# KiCad board KlusterLab r2.0.kicad_pcb (continued)
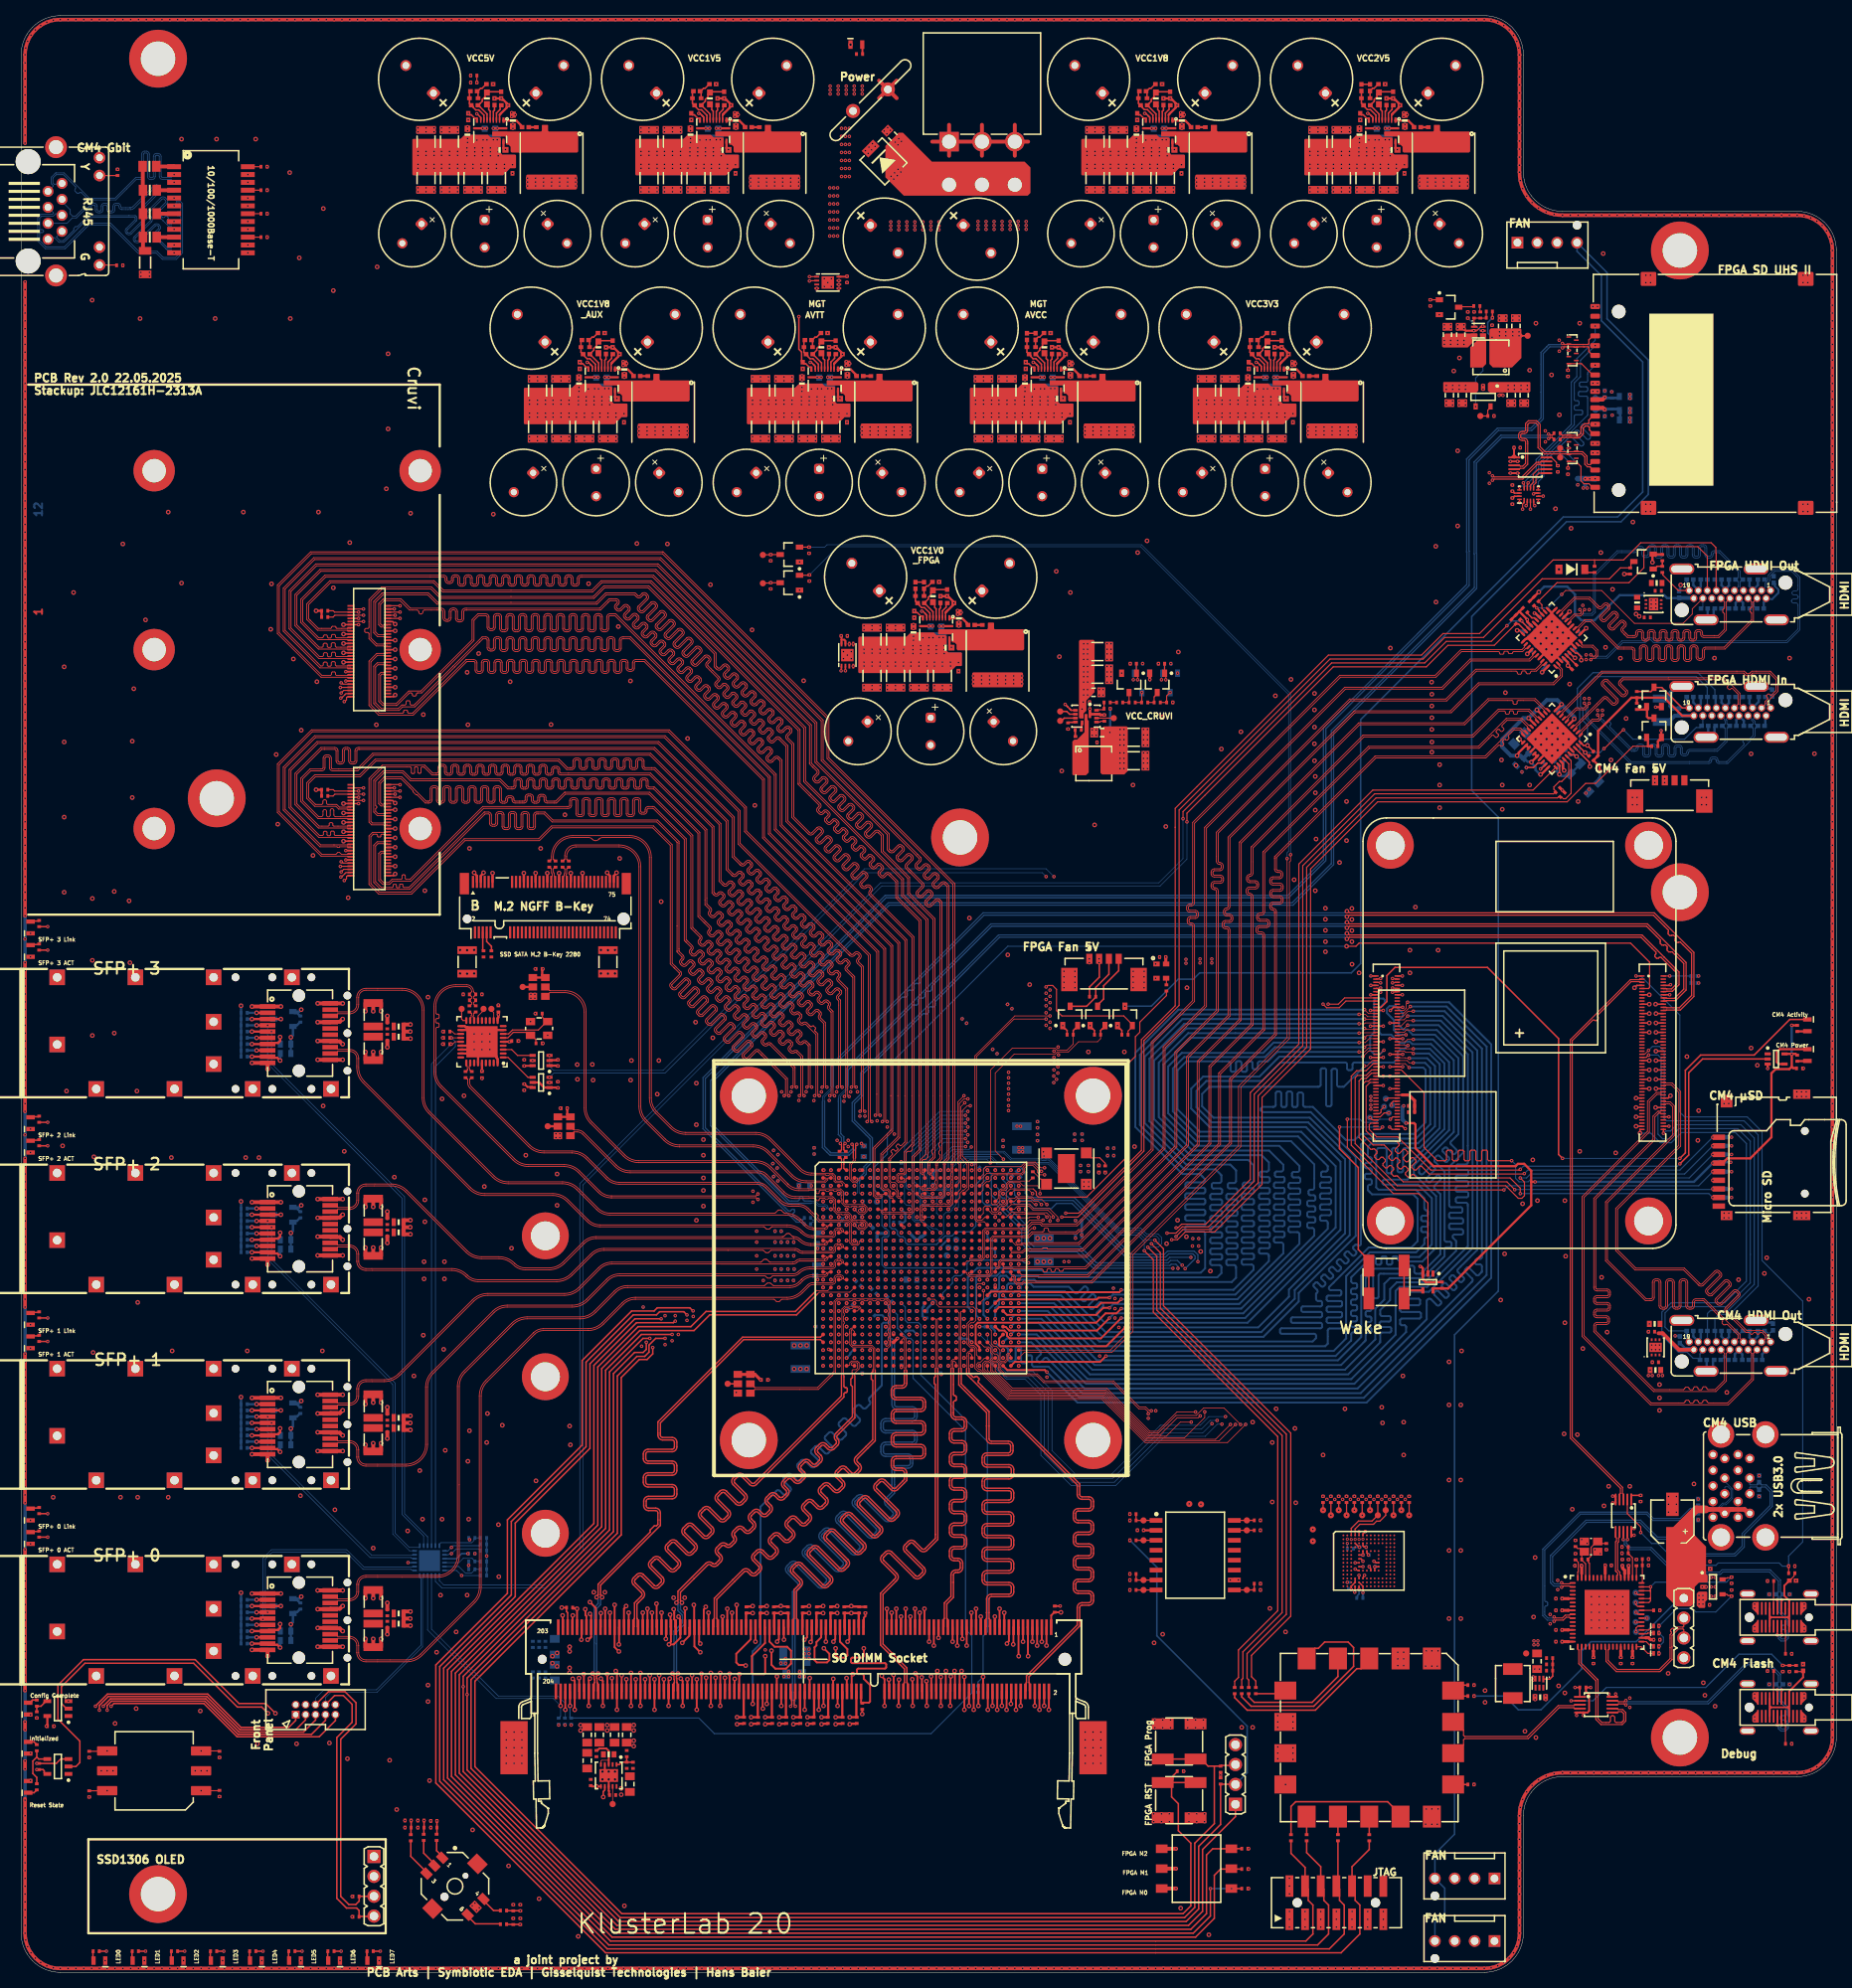
[diagram p0: board, top side]
## Routing (per net, layer and track width the routed paths; a pad name or vN(x,y) marks a point on that pad's centre or on a via; arc(x,y) is an arc through that point) (continued)
HDMI_CM4_DATA1_N: length 68.5
  L1 Top w0.114: J8.178 209.63,112.1 209.55,112.18 209.08,112.18 208.1,111.2 208.1,107.36 199.74,99 199.74,81.35 208.34,72.75 212.52,72.75 212.66,72.89 212.66,72.96 212.81,73.1 213.09,73.1 213.23,72.96 213.23,72.87 213.37,72.73 213.65,72.73 213.79,72.87 213.79,72.96 213.93,73.1 214.21,73.1 214.36,72.96 214.36,72.87 214.5,72.73 214.78,72.73 214.92,72.87 214.92,72.96 215.06,73.1 215.34,73.1 215.48,72.96 215.48,72.89 215.62,72.75 218.1,72.75 221.16,75.82 221.16,79.1 J11.6
  L12 Bottom w0.114: J11.6 221.18,79.08 221.18,78.9 221.14,78.87 221.14,78.54 221.07,78.47 221.04,78.47 D7.2
HDMI_CM4_DATA1_P: length 68.6
  L1 Top w0.114: J8.176 209.63,112.5 209.55,112.42 208.98,112.42 207.86,111.3 207.86,107.46 199.5,99.1 199.5,81.25 208.24,72.51 218.2,72.51 221.41,75.72 221.41,79.1 J11.4
  L12 Bottom w0.114: D6.2 221.45,78.47 221.42,78.47 221.35,78.54 221.35,78.78 221.39,78.82 221.39,79.08 J11.4
HDMI_CM4_DATA2_N: length 69
  L1 Top w0.114: J11.3 222.54,80.55 222.91,80.93 222.91,81.34 222.5,81.75 222.28,81.75 222.05,81.53 221.92,81.53 221.69,81.75 221.47,81.75 221.25,81.53 221.11,81.53 220.89,81.75 220.46,81.75 217.84,84.37 arc(217.72,84.65) 217.84,84.93 219.42,86.51 arc(219.46,86.62) 219.42,86.72 219.2,86.94 arc(219.09,86.99) 218.98,86.94 217.34,85.29 217.33,85.29 arc(217.06,85.21) 216.81,85.33 216.6,85.54 arc(216.48,85.82) 216.6,86.1 218.28,87.79 arc(218.33,87.9) 218.28,88.01 218.07,88.22 arc(217.96,88.27) 217.85,88.22 216.13,86.5 216.12,86.5 arc(215.86,86.42) 215.6,86.54 215.39,86.75 arc(215.39,86.75) 215.39,86.75 arc(215.27,87.03) 215.39,87.31 217.07,89 arc(217.07,89) 217.07,89 arc(217.12,89.11) 217.07,89.21 216.86,89.43 arc(216.75,89.48) 216.64,89.43 214.99,87.78 arc(214.71,87.66) 214.43,87.78 212.48,89.73 206.28,89.73 203.8,92.21 203.8,97.6 211.86,105.66 211.86,112.44 210.92,113.38 210.21,113.38 210.13,113.3 J8.172
  L12 Bottom w0.114: J11.3 222.56,80.55 222.91,80.9 222.91,81.08 223.28,81.45 223.28,81.72 223.21,81.79 222.99,81.79 D5.2
HDMI_CM4_DATA2_P: length 69
  L1 Top w0.114: J11.1 223.5,80.55 223.5,80.58 223.15,80.93 223.15,81.44 222.6,81.99 220.56,81.99 218.01,84.54 arc(217.96,84.65) 218.01,84.76 219.59,86.34 arc(219.7,86.62) 219.59,86.89 219.37,87.11 arc(219.09,87.23) 218.81,87.11 217.2,85.5 arc(217.09,85.45) 216.98,85.5 216.77,85.72 arc(216.72,85.82) 216.77,85.93 218.49,87.65 218.49,87.66 arc(218.57,87.92) 218.45,88.18 218.24,88.39 arc(217.96,88.51) 217.68,88.39 215.99,86.71 arc(215.99,86.71) 215.99,86.71 arc(215.88,86.66) 215.77,86.71 215.56,86.92 arc(215.51,87.03) 215.56,87.14 217.28,88.86 217.28,88.87 arc(217.36,89.13) 217.24,89.38 217.03,89.6 arc(216.75,89.72) 216.47,89.6 214.82,87.95 arc(214.71,87.91) 214.6,87.95 212.58,89.97 206.38,89.97 204.04,92.31 204.04,97.5 212.1,105.56 212.1,112.54 211.02,113.62 210.21,113.62 210.13,113.7 J8.170
  L12 Bottom w0.114: D4.2 223.9,82 223.68,81.79 223.56,81.79 223.49,81.72 223.49,81.36 223.12,81 223.12,80.9 223.47,80.55 J11.1
HDMI_CM4_HPD: length 62.8
  L1 Top w0.15: v1(208,117.2) 207.7,116.9 J8.153
  L12 Bottom w0.15: D15.2 210.6,81.95 210.1,82.45 210.1,84.25 210.9,85.05 217.95,85.05 221,88.1 221,91.76 ; 221,91.69 221,106.2 219.4,107.8 211.9,107.8 210.6,106.5 209.8,106.5 209.2,107.1 209.2,109.7 209.6,110.1 209.6,116.8 209.2,117.2 v1(208,117.2)
  L12 Bottom w0.3: D15.2 212.87,81.06 213.2,80.73 J11.19
HDMI_CM4_SCL: length 43.1
  L1 Top w0.2: J8.200 209.9,107.7 v1(209.9,107.2)
  L12 Bottom w0.15: J11.15 215.52,80.56 215.52,81.95 D13.2 215.52,84.18 215.9,84.55 218.16,84.55 221.5,87.89 221.5,106.6 219.8,108.3 211.6,108.3 210.8,107.5 210.24,107.5 209.94,107.2 v1(209.9,107.2)
HDMI_CM4_SDA: length 56.3
  L1 Top w0.2: v2(206.9,107.22) 206.9,107.7
  L12 Bottom w0.15: v2(206.9,107.22) 208.28,107.22 209.5,106 210.9,106 212.2,107.3 219.1,107.3 220.5,105.9 220.5,88.31 217.75,85.55 210.9,85.55 209.7,84.35 209.7,81.35 211.8,79.25 212.9,79.25 213.7,78.45 214.37,78.45 D14.2 214.57,79.02 214.93,79.38 J11.16
HDMI_FPGA_C_RX0_N: length 37.2
  L1 Top w0.114: J24.9 219.43,162.01 219.43,163.32 218.72,164.04 arc(218.64,164.07) 218.56,164.04 218.43,163.91 arc(218.36,163.88) 218.29,163.91 218.07,164.13 arc(218.04,164.2) 218.07,164.27 218.19,164.4 arc(218.23,164.48) 218.19,164.56 217.59,165.16 210.62,165.16 210.62,165.15 204.78,165.15 204.44,164.82 arc(204.4,164.71) 204.44,164.61 205.26,163.79 205.26,163.78 arc(205.34,163.52) 205.23,163.27 205.04,163.08 arc(204.77,162.97) 204.49,163.08 202.63,164.94 arc(202.63,164.94) 202.63,164.94 arc(202.52,164.98) 202.42,164.94 202.23,164.76 arc(202.19,164.65) 202.23,164.54 204.03,162.74 arc(204.14,162.47) 204.03,162.19 203.85,162 arc(203.57,161.89) 203.29,162 202.57,162.73 arc(202.46,162.77) 202.35,162.73 198.78,159.16 198.78,158.97 U21.3
  L12 Bottom w0.114: J24.9 219.45,162.02 219.45,162.22 219.48,162.25 219.48,162.67 219.41,162.74 219.34,162.74 D57.2
HDMI_FPGA_C_RX0_P: length 37.2
  L1 Top w0.114: U21.4 198.42,159.33 198.61,159.33 202.18,162.9 arc(202.46,163.01) 202.74,162.9 203.46,162.18 arc(203.57,162.13) 203.68,162.18 203.86,162.36 arc(203.9,162.47) 203.86,162.57 202.06,164.37 arc(201.95,164.65) 202.06,164.93 202.25,165.11 arc(202.5,165.22) 202.76,165.14 202.77,165.14 204.66,163.25 arc(204.77,163.21) 204.87,163.25 205.06,163.44 arc(205.1,163.54) 205.06,163.65 204.27,164.43 arc(204.16,164.71) 204.27,164.99 204.68,165.39 210.52,165.39 210.52,165.4 217.69,165.4 219.67,163.42 219.67,162.01 J24.7
  L12 Bottom w0.114: D56.2 219.83,162.74 219.76,162.74 219.69,162.67 219.69,162.16 219.66,162.13 219.66,162.02 J24.7
HDMI_FPGA_C_RX1_N: length 35.5
  L1 Top w0.114: U21.6 197.72,160.03 197.72,160.22 198.81,161.31 199.86,161.31 200.22,161.67 200.22,161.92 200.4,162.1 v1(200.4,162.15)
  L12 Bottom w0.114: v1(200.4,162.15) 200.4,162.1 200.22,161.92 200.22,160.23 205.76,154.69 215.68,154.69 arc(215.78,154.73) 215.82,154.83 215.82,154.91 arc(215.93,155.18) 216.2,155.29 216.48,155.29 arc(216.75,155.18) 216.86,154.91 216.86,154.83 arc(216.9,154.73) 217,154.69 218.01,154.69 220.17,156.84 arc(220.21,156.95) 220.17,157.06 220.08,157.15 arc(220.04,157.26) 220.08,157.37 220.23,157.51 arc(220.33,157.56) 220.44,157.51 220.53,157.43 arc(220.64,157.38) 220.75,157.43 221.38,158.05 221.38,158.97 221.31,159.04 221.24,159.04 D55.2 221.24,159.47 221.32,159.47 221.39,159.54 221.39,159.75 221.18,159.96 221.18,160.14 220.77,160.55 J24.6
HDMI_FPGA_C_RX1_P: length 35.5
  L1 Top w0.114: U21.7 197.36,160.39 197.55,160.39 198.72,161.55 199.76,161.55 199.98,161.77 199.98,161.92 199.8,162.1 v1(199.8,162.15)
  L12 Bottom w0.114: J24.4 221.8,160.55 221.39,160.14 221.39,160.05 221.6,159.83 221.6,159.54 221.67,159.47 221.75,159.47 D54.2 221.75,159.04 221.68,159.04 221.62,158.97 221.62,157.95 218.11,154.45 217,154.45 arc(216.73,154.56) 216.62,154.83 216.62,154.91 arc(216.58,155.01) 216.48,155.05 216.2,155.05 arc(216.1,155.01) 216.06,154.91 216.06,154.83 arc(215.95,154.56) 215.68,154.45 213.19,154.45 205.66,154.45 199.98,160.13 199.98,161.92 199.8,162.1 v1(199.8,162.15)
HDMI_FPGA_C_RX2_N: length 37.4
  L1 Top w0.114: J24.3 222.9,162.01 222.9,162.38 223.23,162.71 223.23,162.84 223.07,162.99 223.07,163.15 223.25,163.32 223.43,163.32 223.58,163.18 223.7,163.18 224.3,163.78 224.3,165.15 223.45,166 221.3,166 221.22,165.93 221.22,165.9 221,165.69 220.44,165.69 220.22,165.9 220.22,165.93 220.15,166 202.09,166 197.01,160.92 197.01,160.74 U21.8
  L12 Bottom w0.114: D53.2 223.14,162.74 223.2,162.74 223.27,162.67 223.27,162.44 222.91,162.09 222.91,161.9 222.56,161.55 J24.3
HDMI_FPGA_C_RX2_P: length 37.5
  L1 Top w0.114: J24.1 223.14,162.01 223.14,162.28 224.54,163.68 224.54,165.25 223.62,166.18 223.55,166.25 221.2,166.25 220.98,166.03 220.98,166 220.9,165.93 220.54,165.93 220.47,166 220.47,166.03 220.25,166.25 219.27,166.25 201.99,166.25 196.84,161.09 196.66,161.09 U21.9
  L12 Bottom w0.114: J24.1 223.47,161.55 223.12,161.9 223.12,162 223.48,162.35 223.48,162.72 223.55,162.79 223.58,162.79 223.8,163 D52.2
HDMI_FPGA_C_RXC_N: length 35.5
  L1 Top w0.114: U21.1 199.49,158.26 199.49,158.45 200.89,159.85 201.6,159.85 201.92,160.17 201.92,160.42 202.1,160.6 v1(202.1,160.65)
  L12 Bottom w0.114: J24.12 217.3,160.55 217.71,160.14 217.71,159.96 217.79,159.88 217.79,159.54 217.72,159.47 217.64,159.47 D59.2 217.64,159.04 217.71,159.04 217.78,158.97 217.78,157.33 216.7,156.25 213.28,156.25 arc(212.99,156.13) 212.87,155.84 arc(212.82,155.72) 212.7,155.67 212.47,155.67 arc(212.35,155.72) 212.3,155.84 212.3,156.41 arc(212.18,156.7) 211.89,156.82 211.67,156.82 arc(211.38,156.7) 211.26,156.41 211.26,155.69 arc(211.21,155.57) 211.09,155.52 210.86,155.52 arc(210.74,155.57) 210.69,155.69 210.69,156.51 arc(210.57,156.8) 210.28,156.92 210.06,156.92 arc(209.77,156.8) 209.65,156.51 209.65,155.69 arc(209.6,155.57) 209.48,155.52 209.25,155.52 arc(209.13,155.57) 209.09,155.69 209.09,156.51 arc(208.96,156.8) 208.68,156.92 208.45,156.92 arc(208.16,156.8) 208.04,156.51 208.04,155.69 arc(207.99,155.57) 207.87,155.52 207.64,155.52 arc(207.53,155.57) 207.48,155.69 207.48,156.51 arc(207.36,156.8) 207.07,156.92 206.84,156.92 arc(206.55,156.8) 206.43,156.51 206.43,156.42 arc(206.38,156.3) 206.26,156.25 205.94,156.25 203.08,159.11 ; 203.08,159.11 203.08,159.11 ; 203.08,159.11 arc(203.03,159.22) 203.08,159.33 203.17,159.42 arc(203.21,159.53) 203.17,159.64 203.02,159.78 arc(202.91,159.83) 202.8,159.78 202.72,159.69 arc(202.61,159.65) 202.5,159.69 201.92,160.27 201.92,160.42 202.1,160.6 v1(202.1,160.65)
HDMI_FPGA_C_RXC_P: length 35.5
  L1 Top w0.114: v1(201.5,160.65) 201.5,160.6 201.68,160.42 201.68,160.27 201.5,160.09 200.79,160.09 199.32,158.62 199.13,158.62 U21.2
  L12 Bottom w0.114: v1(201.5,160.65) 201.5,160.6 201.68,160.42 201.68,160.17 205.84,156.01 206.26,156.01 arc(206.55,156.13) 206.67,156.42 206.67,156.51 arc(206.72,156.63) 206.84,156.68 207.07,156.68 arc(207.19,156.63) 207.24,156.51 207.24,155.69 arc(207.36,155.4) 207.64,155.28 207.87,155.28 arc(208.16,155.4) 208.28,155.69 208.28,156.51 arc(208.33,156.63) 208.45,156.68 208.68,156.68 arc(208.79,156.63) 208.84,156.51 208.84,155.69 arc(208.96,155.4) 209.25,155.28 209.48,155.28 arc(209.77,155.4) 209.89,155.69 209.89,156.51 arc(209.94,156.63) 210.06,156.68 210.28,156.68 arc(210.4,156.63) 210.45,156.51 210.45,155.69 arc(210.57,155.4) 210.86,155.28 211.09,155.28 arc(211.38,155.4) 211.5,155.69 211.5,156.41 arc(211.55,156.53) 211.67,156.58 211.89,156.58 arc(212.01,156.53) 212.06,156.41 212.06,155.84 arc(212.18,155.55) 212.47,155.43 212.7,155.43 arc(212.99,155.55) 213.11,155.84 arc(213.16,155.96) 213.28,156.01 216.8,156.01 218.02,157.23 218.02,158.97 218.08,159.04 218.15,159.04 D58.2 218.15,159.47 218.07,159.47 218,159.54 218,159.97 217.93,160.05 217.93,160.14 218.34,160.55 J24.10
HDMI_FPGA_C_RXCEC: length 35.5
  L1 Top w0.2: v2(200.5,154.05) 200.42,154.13 200.42,154.61 U21.38
  L12 Bottom w0.15: v2(200.5,154.05) 200.43,154.12 200.43,154.58 199.2,155.81 199.2,161.35 198.9,161.65 198.9,164.05 200.9,166.05 214.3,166.05 216.47,163.88 D60.2
  L12 Bottom w0.3: D60.2 216.57,162.86 216.57,161.65 J24.13
HDMI_FPGA_C_RXHPD: length 9.6
  L1 Top w0.2: J24.19 212.3,161.55 209.7,164.15 208.73,164.15 Q11.3 208.7,164.04 208.31,163.65 R172.1
  L12 Bottom w0.2: J24.19 213.2,161.76 212.87,162.08 D63.2
HDMI_FPGA_C_RXSCL: length 29.6
  L1 Top w0.2: U21.40 199.69,156.75 v2(200.19,156.75) R166.1
  L12 Bottom w0.15: J24.15 215.51,162.94 ; D61.2 215.5,162.98 215.5,164.15 214.1,165.55 201.2,165.55 199.3,163.65 199.3,161.75 199.6,161.45 199.6,159.95 200.19,159.36 v2(200.19,156.75)
HDMI_FPGA_C_RXSDA: length 20.7
  L1 Top w0.15: v1(204.8,158.75) 204.75,158.75 202.35,156.35 v1(202.3,156.35)
  L1 Top w0.2: U21.39 200.32,155.42 R167.1
  L12 Bottom w0.15: v1(204.8,158.75) 206,157.55 212.6,157.55 214.1,159.05 214.57,159.05 D62.2 ; v2(199.9,155.85) 201.8,155.85 v1(202.3,156.35) ; 214.73,159.25 214.93,159.45 J24.16
HDMI_FPGA_C_TX0_N: length 47.6
  L1 Top w0.114: U19.16 197.68,172.93 197.87,172.93 198.48,173.54 199.22,173.54 199.4,173.72 199.4,173.87 199.22,174.05 v1(199.22,174.1)
  L12 Bottom w0.114: v1(199.22,174.1) 199.22,174.05 199.4,173.87 199.4,173.62 199.64,173.37 200.82,173.37 201.2,173.75 201.2,178.5 204.1,181.4 206.17,181.4 arc(206.46,181.52) 206.58,181.81 arc(206.63,181.93) 206.75,181.97 206.98,181.97 arc(207.1,181.93) 207.15,181.81 207.15,181.19 arc(207.27,180.9) 207.56,180.78 207.78,180.78 arc(208.07,180.9) 208.19,181.19 208.19,182 arc(208.24,182.12) 208.36,182.17 208.59,182.17 arc(208.71,182.12) 208.76,182 208.76,181.11 arc(208.88,180.82) 209.17,180.7 209.39,180.7 arc(209.68,180.82) 209.8,181.11 209.8,182 arc(209.85,182.12) 209.97,182.17 210.2,182.17 arc(210.32,182.12) 210.37,182 210.37,181.11 arc(210.49,180.82) 210.78,180.7 211,180.7 arc(211.29,180.82) 211.41,181.11 211.41,182 arc(211.46,182.12) 211.58,182.17 211.81,182.17 arc(211.93,182.12) 211.98,182 211.98,181.11 arc(212.1,180.82) 212.39,180.7 212.61,180.7 arc(212.9,180.82) 213.02,181.11 213.02,182 arc(213.07,182.12) 213.19,182.17 213.42,182.17 arc(213.54,182.12) 213.58,182 213.58,181.11 arc(213.7,180.82) 213.99,180.7 214.22,180.7 arc(214.51,180.82) 214.63,181.11 214.63,182 arc(214.68,182.12) 214.8,182.17 215.02,182.17 arc(215.14,182.12) 215.19,182 215.19,181.11 arc(215.31,180.82) 215.6,180.7 215.83,180.7 arc(216.12,180.82) 216.24,181.11 216.24,181.23 arc(216.29,181.35) 216.41,181.4 217.02,181.4 218.52,179.89 218.52,179.74 218.51,179.73 218.51,179.59 218.73,179.37 218.87,179.37 218.88,179.38 219.03,179.38 219.46,178.95 219.46,178.24 219.4,178.17 219.34,178.17 D41.2 219.34,177.74 219.41,177.74 219.48,177.67 219.48,177.25 219.45,177.22 219.45,177.02 J23.9
HDMI_FPGA_C_TX0_P: length 47.6
  L1 Top w0.114: v1(199.82,174.1) 199.82,174.05 199.64,173.87 199.64,173.62 199.32,173.3 198.57,173.3 198.04,172.76 198.04,172.58 U19.15
  L12 Bottom w0.114: J23.7 219.66,177.02 219.66,177.13 219.69,177.16 219.69,177.67 219.76,177.74 219.83,177.74 D40.2 219.83,178.17 219.77,178.17 219.71,178.24 219.71,179.05 217.11,181.64 216.41,181.64 arc(216.12,181.52) 216,181.23 216,181.11 arc(215.95,180.99) 215.83,180.94 215.6,180.94 arc(215.48,180.99) 215.43,181.11 215.43,182 arc(215.31,182.29) 215.02,182.41 214.8,182.41 arc(214.51,182.29) 214.39,182 214.39,181.11 arc(214.34,180.99) 214.22,180.94 213.99,180.94 arc(213.88,180.99) 213.83,181.11 213.83,182 arc(213.71,182.29) 213.42,182.41 213.19,182.41 arc(212.9,182.29) 212.78,182 212.78,181.11 arc(212.73,180.99) 212.61,180.94 212.39,180.94 arc(212.27,180.99) 212.22,181.11 212.22,182 arc(212.1,182.29) 211.81,182.41 211.58,182.41 arc(211.29,182.29) 211.17,182 211.17,181.11 arc(211.12,180.99) 211,180.94 210.78,180.94 arc(210.66,180.99) 210.61,181.11 210.61,182 arc(210.49,182.29) 210.2,182.41 209.97,182.41 arc(209.68,182.29) 209.56,182 209.56,181.11 arc(209.51,180.99) 209.39,180.94 209.17,180.94 arc(209.05,180.99) 209,181.11 209,182 arc(208.88,182.29) 208.59,182.41 208.36,182.41 arc(208.07,182.29) 207.95,182 207.95,181.19 arc(207.9,181.07) 207.78,181.02 207.56,181.02 arc(207.44,181.07) 207.39,181.19 207.39,181.81 arc(207.27,182.1) 206.98,182.22 206.75,182.22 arc(206.46,182.1) 206.34,181.81 arc(206.29,181.69) 206.17,181.64 204,181.64 200.96,178.6 200.96,173.85 200.72,173.61 199.74,173.61 199.64,173.72 199.64,173.87 199.82,174.05 v1(199.82,174.1)
HDMI_FPGA_C_TX1_N: length 49.3
  L1 Top w0.114: U19.13 198.74,171.87 198.93,171.87 199.85,172.79 200.71,172.79 204.18,169.32 205.86,169.32 arc(206.15,169.2) 206.27,168.91 206.27,167.9 arc(206.32,167.78) 206.44,167.73 206.66,167.73 arc(206.78,167.78) 206.83,167.9 206.83,169.18 arc(206.95,169.47) 207.24,169.59 207.47,169.59 arc(207.76,169.47) 207.88,169.18 207.88,167.9 arc(207.93,167.78) 208.05,167.73 208.27,167.73 arc(208.39,167.78) 208.44,167.9 208.44,169.18 arc(208.56,169.47) 208.85,169.59 209.08,169.59 arc(209.37,169.47) 209.49,169.18 209.49,167.9 arc(209.53,167.78) 209.65,167.73 209.88,167.73 arc(210,167.78) 210.05,167.9 210.05,169.18 arc(210.17,169.47) 210.46,169.59 210.68,169.59 arc(210.97,169.47) 211.09,169.18 211.09,167.9 arc(211.14,167.78) 211.26,167.73 211.49,167.73 arc(211.61,167.78) 211.66,167.9 211.66,169.18 arc(211.78,169.47) 212.07,169.59 212.29,169.59 arc(212.58,169.47) 212.7,169.18 212.7,167.9 arc(212.75,167.78) 212.87,167.73 213.1,167.73 arc(213.22,167.78) 213.27,167.9 213.27,169.18 arc(213.39,169.47) 213.68,169.59 213.9,169.59 arc(214.19,169.47) 214.31,169.18 214.31,168.05 arc(214.36,167.93) 214.48,167.88 214.71,167.88 arc(214.83,167.93) 214.88,168.05 214.88,168.91 arc(215,169.2) 215.29,169.32 217.67,169.32 221.16,172.81 221.16,173.68 221.06,173.78 221.05,173.78 220.94,173.88 220.94,174.19 221.05,174.29 221.06,174.29 221.16,174.39 221.16,175.1 J23.6
  L12 Bottom w0.114: J23.6 221.18,175.08 221.18,174.85 221.29,174.74 221.29,174.54 221.22,174.47 221.14,174.47 D39.2
HDMI_FPGA_C_TX1_P: length 49.3
  L1 Top w0.114: U19.12 199.1,171.52 199.1,171.7 199.95,172.55 200.61,172.55 204.08,169.08 205.86,169.08 arc(205.98,169.03) 206.03,168.91 206.03,167.9 arc(206.15,167.61) 206.44,167.49 206.66,167.49 arc(206.95,167.61) 207.07,167.9 207.07,169.18 arc(207.12,169.3) 207.24,169.35 207.47,169.35 arc(207.59,169.3) 207.64,169.18 207.64,167.9 arc(207.76,167.61) 208.05,167.49 208.27,167.49 arc(208.56,167.61) 208.68,167.9 208.68,169.18 arc(208.73,169.3) 208.85,169.35 209.08,169.35 arc(209.19,169.3) 209.24,169.18 209.24,167.9 arc(209.36,167.61) 209.65,167.49 209.88,167.49 arc(210.17,167.61) 210.29,167.9 210.29,169.18 arc(210.34,169.3) 210.46,169.35 210.68,169.35 arc(210.8,169.3) 210.85,169.18 210.85,167.9 arc(210.97,167.61) 211.26,167.49 211.49,167.49 arc(211.78,167.61) 211.9,167.9 211.9,169.18 arc(211.95,169.3) 212.07,169.35 212.29,169.35 arc(212.41,169.3) 212.46,169.18 212.46,167.9 arc(212.58,167.61) 212.87,167.49 213.1,167.49 arc(213.39,167.61) 213.51,167.9 213.51,169.18 arc(213.56,169.3) 213.68,169.35 213.9,169.35 arc(214.02,169.3) 214.07,169.18 214.07,168.05 arc(214.19,167.76) 214.48,167.64 214.71,167.64 arc(215,167.76) 215.12,168.05 215.12,168.91 arc(215.17,169.03) 215.29,169.08 217.77,169.08 221.41,172.71 221.41,175.1 J23.4
  L12 Bottom w0.114: D38.2 221.65,174.47 221.57,174.47 221.5,174.54 221.5,174.83 221.39,174.94 221.39,175.08 J23.4
HDMI_FPGA_C_TX2_N: length 47.6
  L1 Top w0.114: U19.10 199.45,169.86 199.45,169.68 199.56,169.56 200.89,169.56 201.5,168.95 201.5,168.21 201.19,167.91 200.85,167.91 200.67,167.73 v1(200.62,167.73)
  L12 Bottom w0.114: v1(200.62,167.73) 200.67,167.73 200.85,167.91 202.72,167.91 204.7,169.88 207.57,169.88 207.83,170.14 207.83,170.14 207.94,170.26 208.28,170.26 208.39,170.14 208.39,170.14 208.64,169.88 225.7,169.88 227.34,171.53 227.34,178.27 226.37,179.24 224.03,179.24 223.3,178.51 223.3,177.94 222.9,177.54 222.9,176.97 222.48,176.55 J23.3 ; 223,177.78 D36.2 222.85,177.95 223.07,178.17
HDMI_FPGA_C_TX2_P: length 47.6
  L1 Top w0.114: U19.9 199.1,169.51 199.28,169.51 199.47,169.32 200.79,169.32 201.26,168.85 201.26,168.31 201.09,168.15 200.85,168.15 200.67,168.33 v1(200.62,168.33)
  L12 Bottom w0.114: v1(200.62,168.33) 200.67,168.33 200.85,168.15 202.62,168.15 204.6,170.12 207.47,170.12 207.59,170.24 207.59,170.24 207.84,170.5 208.38,170.5 208.63,170.24 208.63,170.24 208.74,170.12 209.48,170.12 225.6,170.12 227.1,171.63 227.1,174.7 arc(227.02,174.88) 226.84,174.96 226.52,174.96 arc(226.34,175.03) 226.26,175.21 arc(226.34,175.39) 226.52,175.47 226.87,175.47 arc(227.05,175.54) 227.12,175.73 arc(227.05,175.91) 226.87,175.98 226.58,175.98 arc(226.4,176.06) 226.33,176.24 arc(226.4,176.42) 226.58,176.5 226.84,176.5 arc(227.02,176.57) 227.1,176.75 227.1,178.18 226.28,179 224.13,179 223.54,178.42 223.54,177.84 223.11,177.41 223.11,177.04 J23.1
HDMI_FPGA_C_TXC_N: length 49.3
  L1 Top w0.114: J23.12 217.7,175.1 217.7,174.3 217.6,174.2 217.59,174.2 217.48,174.1 217.48,173.79 217.59,173.68 217.6,173.68 217.7,173.58 217.7,171.6 216.9,170.8 215.05,170.8 arc(214.94,170.85) 214.89,170.95 214.89,171.15 arc(214.78,171.43) 214.5,171.55 214.29,171.55 arc(214.02,171.43) 213.9,171.15 213.9,170.49 arc(213.85,170.38) 213.75,170.33 213.54,170.33 arc(213.43,170.38) 213.39,170.49 213.39,171.15 arc(213.27,171.43) 212.99,171.55 212.79,171.55 arc(212.51,171.43) 212.39,171.15 212.39,170.49 arc(212.35,170.38) 212.24,170.33 212.03,170.33 arc(211.92,170.38) 211.88,170.49 211.88,171.15 arc(211.76,171.43) 211.48,171.55 211.28,171.55 arc(211,171.43) 210.88,171.15 210.88,170.49 arc(210.84,170.38) 210.73,170.33 210.52,170.33 arc(210.41,170.38) 210.37,170.49 210.37,171.15 arc(210.25,171.43) 209.97,171.55 209.77,171.55 arc(209.49,171.43) 209.37,171.15 209.37,170.49 arc(209.33,170.38) 209.22,170.33 209.01,170.33 arc(208.9,170.38) 208.86,170.49 208.86,171.15 arc(208.74,171.43) 208.46,171.55 208.26,171.55 arc(207.98,171.43) 207.86,171.15 207.86,170.49 arc(207.82,170.38) 207.71,170.33 207.5,170.33 arc(207.39,170.38) 207.35,170.49 207.35,171.15 arc(207.23,171.43) 206.95,171.55 206.75,171.55 arc(206.47,171.43) 206.35,171.15 206.35,170.95 arc(206.31,170.85) 206.2,170.8 205.39,170.8 204.75,171.44 arc(204.71,171.55) 204.75,171.66 205.05,171.95 arc(205.16,172.21) 205.08,172.47 205.08,172.48 204.87,172.69 204.86,172.69 arc(204.6,172.77) 204.34,172.66 203.46,171.77 arc(203.35,171.72) 203.24,171.77 203.09,171.91 arc(203.05,172.02) 203.09,172.13 204.04,173.08 arc(204.16,173.33) 204.08,173.6 204.08,173.6 203.86,173.82 203.86,173.82 arc(203.59,173.9) 203.34,173.78 202.39,172.84 arc(202.28,172.79) 202.17,172.84 202.03,172.98 arc(201.98,173.09) 202.03,173.2 202.97,174.15 arc(203.09,174.4) 203.01,174.67 203.01,174.67 202.79,174.89 202.79,174.89 arc(202.52,174.97) 202.27,174.85 201.91,174.49 arc(201.8,174.45) 201.69,174.49 200.49,175.69 198.51,175.69 196.81,173.99 196.62,173.99 U19.19
  L12 Bottom w0.114: J23.12 217.71,175.08 217.71,174.9 217.69,174.87 217.69,174.54 217.62,174.47 217.54,174.47 D43.2
HDMI_FPGA_C_TXC_P: length 49.3
  L1 Top w0.114: J23.10 217.94,175.1 217.94,171.5 217,170.56 215.05,170.56 arc(214.77,170.67) 214.65,170.95 214.65,171.15 arc(214.61,171.26) 214.5,171.31 214.29,171.31 arc(214.19,171.26) 214.14,171.15 214.14,170.49 arc(214.02,170.21) 213.75,170.09 213.54,170.09 arc(213.26,170.21) 213.14,170.49 213.14,171.15 arc(213.1,171.26) 212.99,171.31 212.79,171.31 arc(212.68,171.26) 212.63,171.15 212.63,170.49 arc(212.52,170.21) 212.24,170.09 212.03,170.09 arc(211.75,170.21) 211.64,170.49 211.64,171.15 arc(211.59,171.26) 211.48,171.31 211.28,171.31 arc(211.17,171.26) 211.12,171.15 211.12,170.49 arc(211.01,170.21) 210.73,170.09 210.52,170.09 arc(210.24,170.21) 210.13,170.49 210.13,171.15 arc(210.08,171.26) 209.97,171.31 209.77,171.31 arc(209.66,171.26) 209.61,171.15 209.61,170.49 arc(209.5,170.21) 209.22,170.09 209.01,170.09 arc(208.73,170.21) 208.62,170.49 208.62,171.15 arc(208.57,171.26) 208.46,171.31 208.26,171.31 arc(208.15,171.26) 208.1,171.15 208.1,170.49 arc(207.99,170.21) 207.71,170.09 207.5,170.09 arc(207.22,170.21) 207.11,170.49 207.11,171.15 arc(207.06,171.26) 206.95,171.31 206.75,171.31 arc(206.64,171.26) 206.59,171.15 206.59,170.95 arc(206.48,170.67) 206.2,170.56 205.29,170.56 204.58,171.27 arc(204.46,171.55) 204.58,171.83 204.88,172.12 arc(204.92,172.23) 204.88,172.34 204.73,172.49 arc(204.62,172.53) 204.51,172.49 203.63,171.6 arc(203.35,171.48) 203.07,171.6 202.92,171.74 arc(202.81,172.02) 202.92,172.3 203.87,173.25 arc(203.92,173.36) 203.87,173.47 203.73,173.61 arc(203.73,173.61) 203.73,173.61 arc(203.62,173.66) 203.51,173.61 202.56,172.67 arc(202.56,172.67) 202.56,172.67 arc(202.28,172.55) 202,172.67 201.86,172.81 arc(201.74,173.09) 201.86,173.37 202.8,174.32 arc(202.85,174.43) 202.8,174.54 202.66,174.68 arc(202.55,174.73) 202.44,174.68 202.08,174.32 arc(201.8,174.21) 201.52,174.32 200.39,175.45 198.61,175.45 196.98,173.82 196.98,173.64 U19.18
  L12 Bottom w0.114: D42.2 218.05,174.47 217.97,174.47 217.9,174.54 217.9,174.79 217.93,174.81 217.93,175.08 J23.10
HDMI_FPGA_C_TXSCL: length 33.7
  L1 Top w0.15: J23.15 215.51,180.94 214.3,182.15 208,182.15 207.4,181.55 207.4,179.45 205.5,177.55 196.3,177.55 193.92,175.18 194.37,174.73 194.37,174.26 194.78,173.85 U19.22
  L12 Bottom w0.166: J23.15 215.51,177.94 D45.2
HDMI_FPGA_C_TXSDA: length 28.6
  L1 Top w0.114: J23.16 213.59,174.21 213.59,173.54 212.4,172.35 206.2,172.35 202,176.55 197.4,176.55 v1(196.9,176.05)
  L1 Top w0.2: R154.1 193.42,174.62 194,174.04 194,173.93 194.43,173.5 U19.23
  L12 Bottom w0.114: D46.2 214.71,174.25 214.93,174.47 J23.16
  L12 Bottom w0.15: v1(196.9,176.05) 195.17,174.33 v1(193.71,174.33)
HDMI_FPGA_LS_TXHPD: length 6.1
  L1 Top w0.15: R162.2 209.82,178.8 209.82,178.53 211.8,176.55 J23.19
  L12 Bottom w0.15: J23.19 213.05,176.71 213.05,177.25 212.87,177.43 D47.2
HDMI_FPGA_RX0_N: length 120.8
  L1 Top w0.1: U1.N24 125.52,90.48 125.52,90.16 125.58,90.1 128.4,90.1 128.42,90.12
  L1 Top w0.114: 128.42,90.12 135.98,90.12 151.81,105.95 151.81,115.76 151.88,115.83 157.2,121.15 157.2,137.45 arc(157.15,137.57) 157.03,137.62 156.98,137.62 arc(156.69,137.74) 156.57,138.03 156.57,138.25 arc(156.69,138.54) 156.98,138.66 157.75,138.66 arc(157.87,138.71) 157.92,138.83 157.92,139.06 arc(157.87,139.18) 157.75,139.23 157.03,139.23 arc(156.74,139.35) 156.62,139.64 156.62,139.86 arc(156.74,140.15) 157.03,140.27 arc(157.15,140.32) 157.2,140.44 157.2,143.76 157.27,143.83 171.46,158.02 171.53,158.09 185.49,158.09 188.8,161.39 192.75,161.39 193.75,160.39 193.94,160.39 U21.14